# Allegro board SDHCalFEB_old.brd (continued)
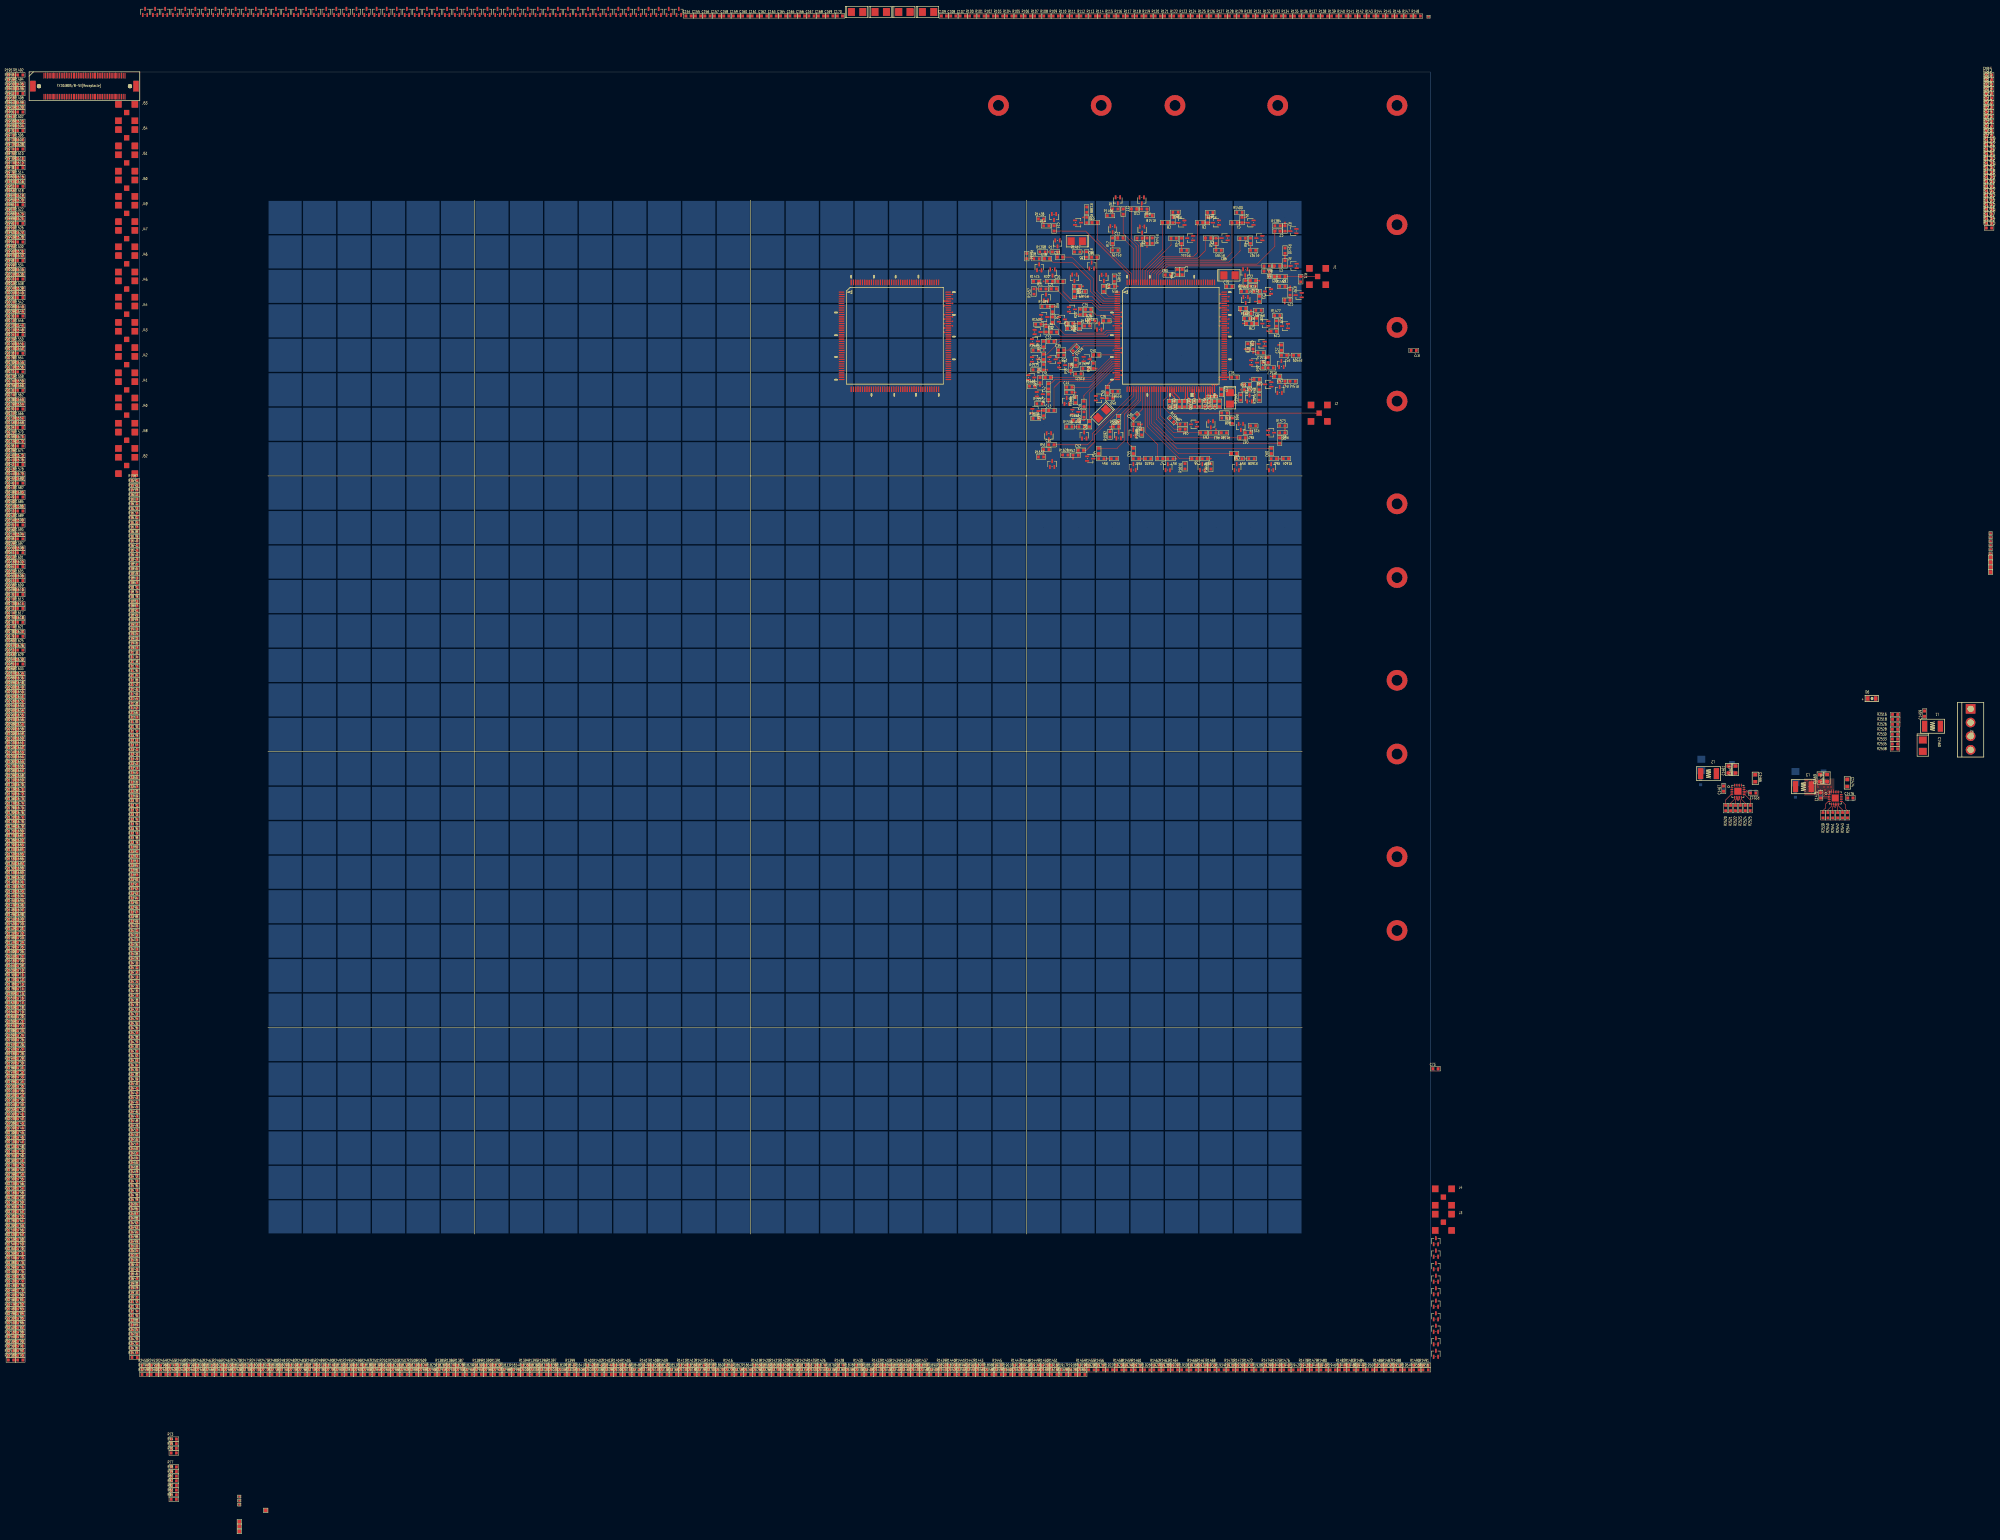
[diagram p0: board, top side]
## Nets (continued)
VCC3.3VD_64830: C75.1 C76.1 C77.1 C78.1 C86.1 C87.1 C1472.1 C1473.1 L3.2 U65.80(VDDD2) U65.82(VDDD#82) U65.120(VDDD#120) U65.137(VDD_SC) U130.80(VDDD2) U130.82(VDDD#82) U130.120(VDDD#120) U130.137(VDD_SC)
VCC5.0V: C1466.2 C1474.2 R2512.2 R2514.1 R2516.1 R2517.1 R2518.1 R2519.1 R2526.1 R2527.1 R2528.1 R2529.1 R2530.1 R2532.1 R2533.1 R2534.1 R2535.1 R2537.1 R2538.1 U1076.14(EN) U1076.15(IN#15) U1076.16(IN#16) U1076.17(IN#17) U1077.14(EN) U1077.15(IN#15) U1077.16(IN#16) U1077.17(IN#17)
VCC5.0V_BOARD_IN: C1459.1 C1460.1 L1.2 R2516.2 R2518.2 R2526.2 R2528.2 R2530.2 R2533.2 R2535.2 R2538.2
VCC5.0V_CON_IN: R2514.2 R2517.2 R2519.2 R2527.2 R2529.2 R2532.2 R2534.2 R2537.2
ANALOGIN1_ASIC_A1: C1.2 R65.1
ANALOGIN1_ASIC_A2: R149.1
ANALOGIN2_ASIC_A1: C2.2 U65.147(IN<1>)
ANALOGIN2_ASIC_A2: U130.147(IN<1>)
ANALOGIN3_ASIC_A1: C3.2 U65.148(IN<2>)
ANALOGIN3_ASIC_A2: U130.148(IN<2>)
ANALOGIN4_ASIC_A1: C4.2 U65.149(IN<3>)
ANALOGIN4_ASIC_A2: U130.149(IN<3>)
ANALOGIN5_ASIC_A1: C5.2 U65.150(IN<4>)
ANALOGIN5_ASIC_A2: U130.150(IN<4>)
ANALOGIN6_ASIC_A1: C6.2 U65.151(IN<5>)
ANALOGIN6_ASIC_A2: U130.151(IN<5>)
ANALOGIN7_ASIC_A1: C7.2 U65.152(IN<6>)
ANALOGIN7_ASIC_A2: U130.152(IN<6>)
ANALOGIN8_ASIC_A1: C8.2 U65.153(IN<7>)
ANALOGIN8_ASIC_A2: U130.153(IN<7>)
ANALOGIN9_ASIC_A1: C9.2 U65.154(IN<8>)
ANALOGIN9_ASIC_A2: U130.154(IN<8>)
ANALOGIN10_ASIC_A1: C10.2 U65.155(IN<9>)
ANALOGIN10_ASIC_A2: U130.155(IN<9>)
ANALOGIN11_ASIC_A1: C11.2 U65.156(IN<10>)
ANALOGIN11_ASIC_A2: U130.156(IN<10>)
ANALOGIN12_ASIC_A1: C12.2 U65.157(IN<11>)
ANALOGIN12_ASIC_A2: U130.157(IN<11>)
ANALOGIN13_ASIC_A1: C13.2 U65.158(IN<12>)
ANALOGIN13_ASIC_A2: U130.158(IN<12>)
ANALOGIN14_ASIC_A1: C14.2 U65.159(IN<13>)
ANALOGIN14_ASIC_A2: U130.159(IN<13>)
ANALOGIN15_ASIC_A1: C15.2 U65.3(IN<14>)
ANALOGIN15_ASIC_A2: U130.3(IN<14>)
ANALOGIN16_ASIC_A1: C16.2 U65.4(IN<15>)
ANALOGIN16_ASIC_A2: U130.4(IN<15>)
ANALOGIN17_ASIC_A1: C17.2 U65.5(IN<16>)
ANALOGIN17_ASIC_A2: U130.5(IN<16>)
ANALOGIN18_ASIC_A1: C18.2 U65.6(IN<17>)
ANALOGIN18_ASIC_A2: U130.6(IN<17>)
ANALOGIN19_ASIC_A1: C19.2 U65.7(IN<18>)
ANALOGIN19_ASIC_A2: U130.7(IN<18>)
ANALOGIN20_ASIC_A1: C20.2 U65.8(IN<19>)
ANALOGIN20_ASIC_A2: C107.2 U130.8(IN<19>)
ANALOGIN21_ASIC_A1: C21.2 U65.9(IN<20>)
ANALOGIN21_ASIC_A2: C108.2 U130.9(IN<20>)
ANALOGIN22_ASIC_A1: C22.2 U65.10(IN<21>)
ANALOGIN22_ASIC_A2: C109.2 U130.10(IN<21>)
ANALOGIN23_ASIC_A1: C23.2 U65.11(IN<22>)
ANALOGIN23_ASIC_A2: U130.11(IN<22>)
ANALOGIN24_ASIC_A1: C24.2 U65.12(IN<23>)
ANALOGIN24_ASIC_A2: U130.12(IN<23>)
ANALOGIN25_ASIC_A1: C25.2 U65.13(IN<24>)
ANALOGIN25_ASIC_A2: U130.13(IN<24>)
ANALOGIN26_ASIC_A1: C26.2 U65.14(IN<25>)
ANALOGIN26_ASIC_A2: U130.14(IN<25>)
ANALOGIN27_ASIC_A1: C27.2 U65.15(IN<26>)
ANALOGIN27_ASIC_A2: U130.15(IN<26>)
ANALOGIN28_ASIC_A1: C28.2 U65.16(IN<27>)
ANALOGIN28_ASIC_A2: U130.16(IN<27>)
ANALOGIN29_ASIC_A1: C29.2 U65.17(IN<28>)
ANALOGIN29_ASIC_A2: U130.17(IN<28>)
ANALOGIN30_ASIC_A1: C30.2 U65.18(IN<29>)
ANALOGIN30_ASIC_A2: U130.18(IN<29>)
ANALOGIN31_ASIC_A1: C31.2 U65.19(IN<30>)
ANALOGIN31_ASIC_A2: U130.19(IN<30>)
ANALOGIN32_ASIC_A1: C32.2 U65.20(IN<31>)
ANALOGIN32_ASIC_A2: U130.20(IN<31>)
ANALOGIN33_ASIC_A1: C33.2 U65.22(IN<32>)
ANALOGIN33_ASIC_A2: U130.22(IN<32>)
ANALOGIN34_ASIC_A1: C34.2 U65.23(IN<33>)
ANALOGIN34_ASIC_A2: U130.23(IN<33>)
ANALOGIN35_ASIC_A1: C35.2 U65.24(IN<34>)
ANALOGIN35_ASIC_A2: U130.24(IN<34>)
ANALOGIN36_ASIC_A1: C36.2 U65.25(IN<35>)
ANALOGIN36_ASIC_A2: U130.25(IN<35>)
ANALOGIN37_ASIC_A1: C37.2 U65.26(IN<36>)
ANALOGIN37_ASIC_A2: U130.26(IN<36>)
ANALOGIN38_ASIC_A1: C38.2 U65.27(IN<37>)
ANALOGIN38_ASIC_A2: U130.27(IN<37>)
ANALOGIN39_ASIC_A1: C39.2 U65.28(IN<38>)
ANALOGIN39_ASIC_A2: U130.28(IN<38>)
ANALOGIN40_ASIC_A1: C40.2 U65.29(IN<39>)
ANALOGIN40_ASIC_A2: U130.29(IN<39>)
ANALOGIN41_ASIC_A1: C41.2 U65.30(IN<40>)
ANALOGIN41_ASIC_A2: U130.30(IN<40>)
ANALOGIN42_ASIC_A1: C42.2 U65.31(IN<41>)
ANALOGIN42_ASIC_A2: U130.31(IN<41>)
ANALOGIN43_ASIC_A1: C43.2 U65.32(IN<42>)
ANALOGIN43_ASIC_A2: U130.32(IN<42>)
ANALOGIN44_ASIC_A1: C44.2 U65.33(IN<43>)
ANALOGIN44_ASIC_A2: U130.33(IN<43>)
ANALOGIN45_ASIC_A1: C45.2 U65.34(IN<44>)
ANALOGIN45_ASIC_A2: U130.34(IN<44>)
ANALOGIN46_ASIC_A1: C46.2 U65.35(IN<45>)
ANALOGIN46_ASIC_A2: U130.35(IN<45>)
ANALOGIN47_ASIC_A1: C47.2 U65.36(IN<46>)
ANALOGIN47_ASIC_A2: U130.36(IN<46>)
ANALOGIN48_ASIC_A1: C48.2 U65.37(IN<47>)
ANALOGIN48_ASIC_A2: U130.37(IN<47>)
ANALOGIN49_ASIC_A1: C49.2 U65.38(IN<48>)
ANALOGIN49_ASIC_A2: U130.38(IN<48>)
ANALOGIN50_ASIC_A1: C50.2 U65.39(IN<49>)
ANALOGIN50_ASIC_A2: U130.39(IN<49>)
ANALOGIN51_ASIC_A1: C51.2 U65.43(IN<50>)
ANALOGIN51_ASIC_A2: U130.43(IN<50>)
ANALOGIN52_ASIC_A1: C52.2 U65.44(IN<51>)
ANALOGIN52_ASIC_A2: U130.44(IN<51>)
ANALOGIN53_ASIC_A1: C53.2 U65.45(IN<52>)
ANALOGIN53_ASIC_A2: U130.45(IN<52>)
ANALOGIN54_ASIC_A1: C54.2 U65.46(IN<53>)
ANALOGIN54_ASIC_A2: U130.46(IN<53>)
ANALOGIN55_ASIC_A1: C55.2 U65.47(IN<54>)
ANALOGIN55_ASIC_A2: U130.47(IN<54>)
ANALOGIN56_ASIC_A1: C56.2 U65.48(IN<55>)
ANALOGIN56_ASIC_A2: U130.48(IN<55>)
ANALOGIN57_ASIC_A1: C57.2 U65.49(IN<56>)
ANALOGIN57_ASIC_A2: U130.49(IN<56>)
ANALOGIN58_ASIC_A1: C58.2 U65.50(IN<57>)
ANALOGIN58_ASIC_A2: U130.50(IN<57>)
ANALOGIN59_ASIC_A1: C59.2 U65.51(IN<58>)
ANALOGIN59_ASIC_A2: U130.51(IN<58>)
ANALOGIN60_ASIC_A1: C60.2 U65.52(IN<59>)
ANALOGIN60_ASIC_A2: U130.52(IN<59>)
ANALOGIN61_ASIC_A1: C61.2 U65.53(IN<60>)
ANALOGIN61_ASIC_A2: U130.53(IN<60>)
ANALOGIN62_ASIC_A1: C62.2 U65.54(IN<61>)
ANALOGIN62_ASIC_A2: U130.54(IN<61>)
ANALOGIN63_ASIC_A1: C63.2 U65.55(IN<62>)
ANALOGIN63_ASIC_A2: U130.55(IN<62>)
ANALOGIN64_ASIC_A1: C64.2 U65.56(IN<63>)
ANALOGIN64_ASIC_A2: U130.56(IN<63>)
AUTO_CALIA: R68.1 R69.1 R152.1
CALI_EXT_ASIC_A1: C66.1 J1.1 R71.1
CALI_EXT_ASIC_A2: J3.1 R154.1
CHIPSATB_A: R80.2 R163.2 U65.108(CHIPSATB) U130.108(CHIPSATB)
CK_5N_A: R75.1 R158.1 U65.98(CK_5N) U130.98(CK_5N)
CK_5P_A: R75.2 R158.2 U65.97(CK_5P) U130.97(CK_5P)
CK_40N_A: R76.2 R159.2 U65.100(CK_40N) U130.100(CK_40N)
CK_40P_A: R76.1 R159.1 U65.99(CK_40P) U130.99(CK_40P)
CTEST_ASIC_A1: R68.2 R70.2 U65.59(CTEST)
CTEST_ASIC_A2: R152.2 R153.2 U130.59(CTEST)
CTEST_SMA_ASIC_A1: J2.1 R70.1 R72.2
CTEST_SMA_ASIC_A2: J4.1 R153.1 R155.2
DOUT1B_A: R83.2 R166.2 U65.104(DOUT1B) U130.104(DOUT1B)
DOUT2B_A: R84.2 R167.2 U65.105(DOUT2B) U130.105(DOUT2B)
ESD_SIGNAL1_ASIC_A1: C1.1 R1.2 U1.3(COM)
ESD_SIGNAL1_ASIC_A2: R85.2 U66.3(COM)
ESD_SIGNAL2_ASIC_A1: C2.1 R2.2 U2.3(COM)
ESD_SIGNAL2_ASIC_A2: R86.2 U67.3(COM)
ESD_SIGNAL3_ASIC_A1: C3.1 R3.2 U3.3(COM)
ESD_SIGNAL3_ASIC_A2: R87.2 U68.3(COM)
ESD_SIGNAL4_ASIC_A1: C4.1 R4.2 U4.3(COM)
ESD_SIGNAL4_ASIC_A2: R88.2 U69.3(COM)
ESD_SIGNAL5_ASIC_A1: C5.1 R5.2 U5.3(COM)
ESD_SIGNAL5_ASIC_A2: R89.2 U70.3(COM)
ESD_SIGNAL6_ASIC_A1: C6.1 R6.2 U6.3(COM)
ESD_SIGNAL6_ASIC_A2: R90.2 U71.3(COM)
ESD_SIGNAL7_ASIC_A1: C7.1 R7.2 U7.3(COM)
ESD_SIGNAL7_ASIC_A2: R91.2 U72.3(COM)
ESD_SIGNAL8_ASIC_A1: C8.1 R8.2 U8.3(COM)
ESD_SIGNAL8_ASIC_A2: R92.2 U73.3(COM)
ESD_SIGNAL9_ASIC_A1: C9.1 R9.2 U9.3(COM)
ESD_SIGNAL9_ASIC_A2: R93.2 U74.3(COM)
ESD_SIGNAL10_ASIC_A1: C10.1 R10.2 U10.3(COM)
ESD_SIGNAL10_ASIC_A2: R94.2 U75.3(COM)
ESD_SIGNAL11_ASIC_A1: C11.1 R11.2 U11.3(COM)
ESD_SIGNAL11_ASIC_A2: R95.2 U76.3(COM)
ESD_SIGNAL12_ASIC_A1: C12.1 R12.2 U12.3(COM)
ESD_SIGNAL12_ASIC_A2: R96.2 U77.3(COM)
ESD_SIGNAL13_ASIC_A1: C13.1 R13.2 U13.3(COM)
ESD_SIGNAL13_ASIC_A2: R97.2 U78.3(COM)
ESD_SIGNAL14_ASIC_A1: C14.1 R14.2 U14.3(COM)
ESD_SIGNAL14_ASIC_A2: R98.2 U79.3(COM)
ESD_SIGNAL15_ASIC_A1: C15.1 R15.2 U15.3(COM)
ESD_SIGNAL15_ASIC_A2: R99.2 U80.3(COM)
ESD_SIGNAL16_ASIC_A1: C16.1 R16.2 U16.3(COM)
ESD_SIGNAL16_ASIC_A2: R100.2 U81.3(COM)
ESD_SIGNAL17_ASIC_A1: C17.1 R17.2 U17.3(COM)
ESD_SIGNAL17_ASIC_A2: R101.2 U82.3(COM)
ESD_SIGNAL18_ASIC_A1: C18.1 R18.2 U18.3(COM)
ESD_SIGNAL18_ASIC_A2: R102.2 U83.3(COM)
ESD_SIGNAL19_ASIC_A1: C19.1 R19.2 U19.3(COM)
ESD_SIGNAL19_ASIC_A2: R103.2 U84.3(COM)
ESD_SIGNAL20_ASIC_A1: C20.1 R20.2 U20.3(COM)
ESD_SIGNAL20_ASIC_A2: C107.1 R104.2 U85.3(COM)
ESD_SIGNAL21_ASIC_A1: C21.1 R21.2 U21.3(COM)
ESD_SIGNAL21_ASIC_A2: C108.1 R105.2 U86.3(COM)
ESD_SIGNAL22_ASIC_A1: C22.1 R22.2 U22.3(COM)
ESD_SIGNAL22_ASIC_A2: C109.1 R106.2 U87.3(COM)
ESD_SIGNAL23_ASIC_A1: C23.1 R23.2 U23.3(COM)
ESD_SIGNAL23_ASIC_A2: R107.2 U88.3(COM)
ESD_SIGNAL24_ASIC_A1: C24.1 R24.2 U24.3(COM)
ESD_SIGNAL24_ASIC_A2: R108.2 U89.3(COM)
ESD_SIGNAL25_ASIC_A1: C25.1 R25.2 U25.3(COM)
ESD_SIGNAL25_ASIC_A2: R109.2 U90.3(COM)
ESD_SIGNAL26_ASIC_A1: C26.1 R26.2 U26.3(COM)
ESD_SIGNAL26_ASIC_A2: R110.2 U91.3(COM)
ESD_SIGNAL27_ASIC_A1: C27.1 R27.2 U27.3(COM)
ESD_SIGNAL27_ASIC_A2: R111.2 U92.3(COM)
ESD_SIGNAL28_ASIC_A1: C28.1 R28.2 U28.3(COM)
ESD_SIGNAL28_ASIC_A2: R112.2 U93.3(COM)
ESD_SIGNAL29_ASIC_A1: C29.1 R29.2 U29.3(COM)
ESD_SIGNAL29_ASIC_A2: R113.2 U94.3(COM)
ESD_SIGNAL30_ASIC_A1: C30.1 R30.2 U30.3(COM)
ESD_SIGNAL30_ASIC_A2: R114.2 U95.3(COM)
ESD_SIGNAL31_ASIC_A1: C31.1 R31.2 U31.3(COM)
ESD_SIGNAL31_ASIC_A2: R115.2 U96.3(COM)
ESD_SIGNAL32_ASIC_A1: C32.1 R32.2 U32.3(COM)
ESD_SIGNAL32_ASIC_A2: R116.2 U97.3(COM)
ESD_SIGNAL33_ASIC_A1: C33.1 R33.2 U33.3(COM)
ESD_SIGNAL33_ASIC_A2: R117.2 U98.3(COM)
ESD_SIGNAL34_ASIC_A1: C34.1 R34.2 U34.3(COM)
ESD_SIGNAL34_ASIC_A2: R118.2 U99.3(COM)
ESD_SIGNAL35_ASIC_A1: C35.1 R35.2 U35.3(COM)
ESD_SIGNAL35_ASIC_A2: R119.2 U100.3(COM)
ESD_SIGNAL36_ASIC_A1: C36.1 R36.2 U36.3(COM)
ESD_SIGNAL36_ASIC_A2: R120.2 U101.3(COM)
ESD_SIGNAL37_ASIC_A1: C37.1 R37.2 U37.3(COM)
ESD_SIGNAL37_ASIC_A2: R121.2 U102.3(COM)
ESD_SIGNAL38_ASIC_A1: C38.1 R38.2 U38.3(COM)
ESD_SIGNAL38_ASIC_A2: R122.2 U103.3(COM)
ESD_SIGNAL39_ASIC_A1: C39.1 R39.2 U39.3(COM)
ESD_SIGNAL39_ASIC_A2: R123.2 U104.3(COM)
ESD_SIGNAL40_ASIC_A1: C40.1 R40.2 U40.3(COM)
ESD_SIGNAL40_ASIC_A2: R124.2 U105.3(COM)
ESD_SIGNAL41_ASIC_A1: C41.1 R41.2 U41.3(COM)
ESD_SIGNAL41_ASIC_A2: R125.2 U106.3(COM)
ESD_SIGNAL42_ASIC_A1: C42.1 R42.2 U42.3(COM)
ESD_SIGNAL42_ASIC_A2: R126.2 U107.3(COM)
ESD_SIGNAL43_ASIC_A1: C43.1 R43.2 U43.3(COM)
ESD_SIGNAL43_ASIC_A2: R127.2 U108.3(COM)
ESD_SIGNAL44_ASIC_A1: C44.1 R44.2 U44.3(COM)
ESD_SIGNAL44_ASIC_A2: R128.2 U109.3(COM)
ESD_SIGNAL45_ASIC_A1: C45.1 R45.2 U45.3(COM)
ESD_SIGNAL45_ASIC_A2: R129.2 U110.3(COM)
ESD_SIGNAL46_ASIC_A1: C46.1 R46.2 U46.3(COM)
ESD_SIGNAL46_ASIC_A2: R130.2 U111.3(COM)
ESD_SIGNAL47_ASIC_A1: C47.1 R47.2 U47.3(COM)
ESD_SIGNAL47_ASIC_A2: R131.2 U112.3(COM)
ESD_SIGNAL48_ASIC_A1: C48.1 R48.2 U48.3(COM)
ESD_SIGNAL48_ASIC_A2: R132.2 U113.3(COM)
ESD_SIGNAL49_ASIC_A1: C49.1 R49.2 U49.3(COM)
ESD_SIGNAL49_ASIC_A2: R133.2 U114.3(COM)
ESD_SIGNAL50_ASIC_A1: C50.1 R50.2 U50.3(COM)
ESD_SIGNAL50_ASIC_A2: R134.2 U115.3(COM)
ESD_SIGNAL51_ASIC_A1: C51.1 R51.2 U51.3(COM)
ESD_SIGNAL51_ASIC_A2: R135.2 U116.3(COM)
ESD_SIGNAL52_ASIC_A1: C52.1 R52.2 U52.3(COM)
ESD_SIGNAL52_ASIC_A2: R136.2 U117.3(COM)
ESD_SIGNAL53_ASIC_A1: C53.1 R53.2 U53.3(COM)
ESD_SIGNAL53_ASIC_A2: R137.2 U118.3(COM)
ESD_SIGNAL54_ASIC_A1: C54.1 R54.2 U54.3(COM)
ESD_SIGNAL54_ASIC_A2: R138.2 U119.3(COM)
ESD_SIGNAL55_ASIC_A1: C55.1 R55.2 U55.3(COM)
ESD_SIGNAL55_ASIC_A2: R139.2 U120.3(COM)
ESD_SIGNAL56_ASIC_A1: C56.1 R56.2 U56.3(COM)
ESD_SIGNAL56_ASIC_A2: R140.2 U121.3(COM)
ESD_SIGNAL57_ASIC_A1: C57.1 R57.2 U57.3(COM)
ESD_SIGNAL57_ASIC_A2: R141.2 U122.3(COM)
ESD_SIGNAL58_ASIC_A1: C58.1 R58.2 U58.3(COM)
ESD_SIGNAL58_ASIC_A2: R142.2 U123.3(COM)
ESD_SIGNAL59_ASIC_A1: C59.1 R59.2 U59.3(COM)
ESD_SIGNAL59_ASIC_A2: R143.2 U124.3(COM)
ESD_SIGNAL60_ASIC_A1: C60.1 R60.2 U60.3(COM)
ESD_SIGNAL60_ASIC_A2: R144.2 U125.3(COM)
ESD_SIGNAL61_ASIC_A1: C61.1 R61.2 U61.3(COM)
ESD_SIGNAL61_ASIC_A2: R145.2 U126.3(COM)
ESD_SIGNAL62_ASIC_A1: C62.1 R62.2 U62.3(COM)
ESD_SIGNAL62_ASIC_A2: R146.2 U127.3(COM)
ESD_SIGNAL63_ASIC_A1: C63.1 R63.2 U63.3(COM)
ESD_SIGNAL63_ASIC_A2: R147.2 U128.3(COM)
ESD_SIGNAL64_ASIC_A1: C64.1 R64.2 U64.3(COM)
ESD_SIGNAL64_ASIC_A2: R148.2 U129.3(COM)
GEM_OUT_A1: P1.B1 R1.1 R1410.2
GEM_OUT_A2: P1.A1 R2.1 R1384.2
GEM_OUT_A3: P1.B2 R3.1 R1392.2
GEM_OUT_A4: P1.A2 R4.1 R1400.2
GEM_OUT_A5: P1.B3 R5.1 R1393.2
GEM_OUT_A6: P1.A3 R6.1 R1429.2
GEM_OUT_A7: P1.B4 R7.1 R1444.2
GEM_OUT_A8: P1.A4 R8.1 R1431.2
GEM_OUT_A9: P1.B5 R9.1 R1446.2
GEM_OUT_A10: P1.A5 R10.1 R1418.2
GEM_OUT_A11: P1.A6 R11.1 R1406.2
GEM_OUT_A12: P1.B6 R12.1 R1415.2
GEM_OUT_A13: P1.A7 R13.1 R1388.2
GEM_OUT_A14: P1.A8 R14.1 R1438.2
GEM_OUT_A15: P1.C6 R15.1 R1465.2
GEM_OUT_A16: P1.B7 R16.1 R1417.2
GEM_OUT_A17: P1.B8 R17.1 R1398.2
GEM_OUT_A18: P1.C5 R18.1 R1461.2
GEM_OUT_A19: P1.C7 R19.1 R1469.2
GEM_OUT_A20: P1.C8 R20.1 R1473.2
GEM_OUT_A21: P1.C4 R21.1 R1457.2
GEM_OUT_A22: P1.C3 R22.1 R1427.2
GEM_OUT_A23: P1.C2 R23.1 R1453.2
GEM_OUT_A24: P1.C1 R24.1 R1452.2
GEM_OUT_A25: P1.D5 R25.1 R1493.2
GEM_OUT_A26: P1.D6 R26.1 R1497.2
GEM_OUT_A27: P1.D3 R27.1 R1485.2
GEM_OUT_A28: P1.D2 R28.1 R1481.2
GEM_OUT_A29: P1.D1 R29.1 R1477.2
GEM_OUT_A30: P1.D7 R30.1 R1501.2
GEM_OUT_A31: P1.D4 R31.1 R1489.2
GEM_OUT_A32: P1.D8 R32.1 R1505.2
GEM_OUT_A33: P1.E8 R33.1 R1537.2
GEM_OUT_A34: P1.E5 R34.1 R1525.2
GEM_OUT_A35: P1.E7 R35.1 R1533.2
GEM_OUT_A36: P1.E4 R36.1 R1521.2
GEM_OUT_A37: P1.E1 R37.1 R1509.2
GEM_OUT_A38: P1.E2 R38.1 R1513.2
GEM_OUT_A39: P1.E3 R39.1 R1517.2
GEM_OUT_A40: P1.E6 R40.1 R1529.2
GEM_OUT_A41: P1.F8 R41.1 R1569.2
GEM_OUT_A42: P1.F5 R42.1 R1557.2
GEM_OUT_A43: P1.G8 R43.1 R1600.2
GEM_OUT_A44: P1.F7 R44.1 R1565.2
GEM_OUT_A45: P1.F4 R45.1 R1553.2
GEM_OUT_A46: P1.G7 R46.1 R1596.2
GEM_OUT_A47: P1.F1 R47.1 R1541.2
GEM_OUT_A48: P1.F2 R48.1 R1545.2
GEM_OUT_A49: P1.F3 R49.1 R1549.2
GEM_OUT_A50: P1.F6 R50.1 R1561.2
GEM_OUT_A51: P1.H8 R51.1 R1632.2
GEM_OUT_A52: P1.H7 R52.1 R1628.2
GEM_OUT_A53: P1.G6 R53.1 R1592.2
GEM_OUT_A54: P1.H6 R54.1 R1624.2
GEM_OUT_A55: P1.H5 R55.1 R1620.2
GEM_OUT_A56: P1.G5 R56.1 R1588.2
GEM_OUT_A57: P1.H4 R57.1 R1616.2
GEM_OUT_A58: P1.H3 R58.1 R1612.2
GEM_OUT_A59: P1.H2 R59.1 R1608.2
GEM_OUT_A60: P1.H1 R60.1 R1604.2
GEM_OUT_A61: P1.G1 R61.1 R1573.2
GEM_OUT_A62: P1.G2 R62.1 R1577.2
GEM_OUT_A63: P1.G3 R63.1 R1581.2
GEM_OUT_A64: P1.G4 R64.1 R1584.2
GEM_OUT_B1: R85.1
GEM_OUT_B2: R86.1
GEM_OUT_B3: R87.1
GEM_OUT_B4: R88.1
GEM_OUT_B5: R89.1
GEM_OUT_B6: R90.1
GEM_OUT_B7: R91.1
GEM_OUT_B8: R92.1
GEM_OUT_B9: R93.1
GEM_OUT_B10: R94.1
GEM_OUT_B11: R95.1
GEM_OUT_B12: R96.1
GEM_OUT_B13: R97.1
GEM_OUT_B14: R98.1
GEM_OUT_B15: R99.1
GEM_OUT_B16: R100.1
GEM_OUT_B17: R101.1
GEM_OUT_B18: R102.1
GEM_OUT_B19: R103.1
GEM_OUT_B20: R104.1
GEM_OUT_B21: R105.1
GEM_OUT_B22: R106.1
GEM_OUT_B23: R107.1
GEM_OUT_B24: R108.1
GEM_OUT_B25: R109.1
GEM_OUT_B26: R110.1
GEM_OUT_B27: R111.1
GEM_OUT_B28: R112.1
GEM_OUT_B29: R113.1
GEM_OUT_B30: R114.1
GEM_OUT_B31: R115.1
GEM_OUT_B32: R116.1
GEM_OUT_B33: R117.1
GEM_OUT_B34: R118.1
GEM_OUT_B35: R119.1
GEM_OUT_B36: R120.1
GEM_OUT_B37: R121.1
GEM_OUT_B38: R122.1
GEM_OUT_B39: R123.1
GEM_OUT_B40: R124.1
GEM_OUT_B41: R125.1
GEM_OUT_B42: R126.1
GEM_OUT_B43: R127.1
GEM_OUT_B44: R128.1
GEM_OUT_B45: R129.1
GEM_OUT_B46: R130.1
GEM_OUT_B47: R131.1
GEM_OUT_B48: R132.1
GEM_OUT_B49: R133.1
GEM_OUT_B50: R134.1
GEM_OUT_B51: R135.1
GEM_OUT_B52: R136.1
GEM_OUT_B53: R137.1
GEM_OUT_B54: R138.1
GEM_OUT_B55: R139.1
GEM_OUT_B56: R140.1
GEM_OUT_B57: R141.1
GEM_OUT_B58: R142.1
GEM_OUT_B59: R143.1
GEM_OUT_B60: R144.1
GEM_OUT_B61: R145.1
GEM_OUT_B62: R146.1
GEM_OUT_B63: R147.1
GEM_OUT_B64: R148.1
GEM_P1: P1.AB25 R2179.2 R2382.2 R2388.2
GEM_P2: P1.AB26 R2180.2 R2383.2 R2389.2
GEM_P3: P1.AB27 R2182.2 R2398.2 R2404.2
GEM_P4: P1.AB28 R2184.2 R2399.2 R2405.2
GEM_P5: P1.AB29 R2192.2 R2414.2 R2420.2
GEM_P6: P1.AB30 R2193.2 R2415.2 R2421.2
GEM_P7: P1.AC25 R2195.2 R2430.2 R2436.2
GEM_P8: P1.AC26 R2229.2 R2431.2 R2437.2
GEM_P9: P1.AC27 R2207.2 R2446.2 R2450.2
GEM_P10: P1.AC28 R2219.2 R2447.2 R2451.2
GEM_P11: P1.AC29 R2220.2 R2452.2 R2454.2
GEM_P12: P1.AC30 R2222.2 R2453.2 R2455.2
GEM_P13: P1.AD25 R2230.2 R2456.2 R2458.2
GEM_P14: P1.AD26 R2231.2 R2457.2 R2459.2
GEM_P15: P1.AD27 R2235.2 R2460.2 R2462.2
GEM_P16: P1.AD28 R2239.2 R2461.2 R2463.2
GEM_P17: P1.AD29 R2243.2 R2464.2 R2466.2
GEM_P18: P1.AD30 R2247.2 R2465.2 R2467.2
GEM_P19: P1.AE25 R2251.2 R2468.2 R2470.2
GEM_P20: P1.AE26 R2255.2 R2469.2 R2471.2
GEM_P21: P1.AE27 R2259.2 R2472.2 R2474.2
GEM_P22: P1.AE28 R2263.2 R2473.2 R2475.2
GEM_P23: P1.AE29 R2267.2 R2478.2 R2482.2
GEM_P24: P1.AE30 R2271.2 R2479.2 R2483.2
GEM_P25: P1.AF25 R2275.2 R2486.2 R2489.2
GEM_P26: P1.AF26 R2279.2 R2487.2 R2490.2
GEM_P27: P1.AF27 R2283.2 R2488.2 R2491.2
GEM_P28: P1.AF28 R2287.2 R2492.2 R2495.2
GEM_P29: P1.AF29 R2291.2 R2493.2 R2496.2
GEM_P30: P1.AF30 R2295.2 R2494.2 R2497.2
GEM_P31: P1.AG25 R2299.2 R2498.2 R2501.2
GEM_P32: P1.AG26 R2303.2 R2499.2 R2502.2
GEM_P33: P1.AG27 R2307.2 R2500.2 R2503.2
GEM_P34: P1.AG28 R2311.2 R2504.2 R2507.2
GEM_P35: P1.AG29 R2315.2 R2505.2 R2508.2
GEM_P36: P1.AG30 R2319.2 R2506.2 R2509.2
GEM_TEST_A: J40.1 R1644.1
GEM_TEST_B: J41.1 R1645.1
GEM_TEST_C: J42.1 R1646.1
GEM_TEST_D: J43.1 R1647.1
GEM_TEST_E: J44.1 R1908.1
GEM_TEST_F: J45.1 R1909.1
GEM_TEST_G: J46.1 R1910.1
GEM_TEST_H: J47.1 R1911.1
GEM_TEST_I: J48.1 R2172.1
GEM_TEST_J: J49.1 R2173.1
GEM_TEST_K: J50.1 R2174.1
GEM_TEST_L: J51.1 R2175.1
GEM_TEST_M: J52.1 R2485.1
GEM_TEST_N: J53.1 R2480.1
GEM_TEST_O: J54.1 R2481.1
HOLD_A: U65.119(HOLD) U130.119(HOLD)
HRS_SIGNAL1: R2388.1
HRS_SIGNAL2: R2389.1
HRS_SIGNAL3: R2404.1
HRS_SIGNAL4: R2405.1
HRS_SIGNAL5: R2420.1
HRS_SIGNAL6: R2421.1
HRS_SIGNAL7: R2436.1
HRS_SIGNAL8: R2437.1
HRS_SIGNAL9: R2450.1
HRS_SIGNAL10: R2451.1
HRS_SIGNAL11: R2454.1
HRS_SIGNAL12: R2455.1
HRS_SIGNAL13: R2458.1
HRS_SIGNAL14: R2459.1
HRS_SIGNAL15: R2462.1
HRS_SIGNAL16: R2463.1
HRS_SIGNAL17: R2466.1
HRS_SIGNAL18: R2467.1
HRS_SIGNAL19: R2470.1
HRS_SIGNAL20: R2471.1
HRS_SIGNAL21: R2474.1
HRS_SIGNAL22: R2475.1
HRS_SIGNAL23: R2482.1
HRS_SIGNAL24: R2483.1
HRS_SIGNAL25: R2489.1
HRS_SIGNAL26: R2490.1
HRS_SIGNAL27: R2491.1
HRS_SIGNAL28: R2495.1
HRS_SIGNAL29: R2496.1
HRS_SIGNAL30: R2497.1
HRS_SIGNAL31: R2501.1
HRS_SIGNAL32: R2502.1
HRS_SIGNAL33: R2503.1
HRS_SIGNAL34: R2507.1
HRS_SIGNAL35: R2508.1
HRS_SIGNAL36: R2509.1
IBI_PA_ASIC_A1: C70.2 U65.136(IBI_PA)
IBI_PA_ASIC_A2: C157.2 U130.136(IBI_PA)
IREF_DAC_ASIC_A1: R67.1 U65.73(IREF_DAC)
IREF_DAC_ASIC_A2: R151.1 U130.73(IREF_DAC)
N271553_ASIC_A1: R65.2 R66.2 U65.146(IN<0>)
N271553_ASIC_A2: R149.2 R150.2 U130.146(IN<0>)
N271605_ASIC_A1: C65.2 R66.1
N271605_ASIC_A2: R150.1
N360973_ASIC_A1: C65.1 C66.2
OUT_SH_A1: U65.129(OUT_T&H)
OUT_SH_A2: U130.128(OUT_SH)
OUT_T&H_A1: U65.128(OUT_SH)
OUT_T&H_A2: U130.129(OUT_T&H)
OUT_TRIG0B_A: R79.2 R162.2 U65.85(OUT_TRIG0B) U130.85(OUT_TRIG0B)
OUT_TRIG1B_A: R78.1 R161.1 U65.84(OUT_TRIG1B) U130.84(OUT_TRIG1B)
OUT_TRIG2B_A: R77.2 R160.2 U65.83(OUT_TRIG2B) U130.83(OUT_TRIG2B)
PWR_ON_A_A: U65.89(PWR_ON_A) U130.89(PWR_ON_A)
PWR_ON_ADC_A: U65.88(PWR_ON_ADC) U130.88(PWR_ON_ADC)
PWR_ON_D_A: U65.90(PWR_ON_D) U130.90(PWR_ON_D)
PWR_ON_DAC_A: U65.87(PWR_ON_DAC) U130.87(PWR_ON_DAC)
RAZ_CHNN_A: R74.2 R157.2 U65.96(RAZ_CHNN) U130.96(RAZ_CHNN)
RAZ_CHNP_A: R74.1 R157.1 U65.95(RAZ_CHNP) U130.95(RAZ_CHNP)
READOUT1_A1TOA2: TP4.1 TP14.1 U65.112(END_READOUT1) U130.110(START_READOUT1)
READOUT1_A2TOA3: TP15.1 U130.112(END_READOUT1)
READOUT2_A1TOA2: U65.113(END_READOUT2) U130.111(START_READOUT2)
READOUT2_A2TOA3: U130.113(END_READOUT2)
RESET_B_A: U65.102(RESETB) U130.102(RESETB)
RST_COUNTERB_A: U65.109(RST_COUNTERB) U130.109(RST_COUNTERB)
SELECT_A: U65.114(SELECT) U130.114(SELECT)
SR_A1TOA2: TP5.1 U65.118(SR_OUT) U130.117(SR_IN)
SR_A2TOA3: TP16.1 U130.118(SR_OUT)
SR_CK_A: U65.116(SR_CK) U130.116(SR_CK)
SR_IN_A: U65.117(SR_IN)
SR_RSTB_A: U65.115(SR_RSTB) U130.115(SR_RSTB)
STARTACQ_A: U65.92(START_ACQ) U130.92(START_ACQ)
STARTREADOUT1_A: TP3.1 U65.110(START_READOUT1)
STARTREADOUT2_A: U65.111(START_READOUT2)
TRANSMITON1B_A: R81.2 R164.2 U65.106(TRANSMITON1B) U130.106(TRANSMITON1B)
TRANSMITON2B_A: R82.2 R165.2 U65.107(TRANSMITON2B) U130.107(TRANSMITON2B)
TRIGEXT_A: U65.86(TRIG_EXT) U130.86(TRIG_EXT)
V_BG_A: C73.2 C160.2 R67.2 R151.2 TP11.1 TP20.1 U65.70(V_BG) U130.70(V_BG)
VAL_EVTN_A: R73.2 R156.2 U65.94(VAL_EVTN) U130.94(VAL_EVTN)
VAL_EVTP_A: R73.1 R156.1 U65.93(VAL_EVTP) U130.93(VAL_EVTP)
VREF_DAC_ASIC_A1: C69.2 U65.71(VREF_DAC)
VREF_DAC_ASIC_A2: C156.2 U130.71(VREF_DAC)
VREF_PA_ASIC_A1: C67.2 U65.61(VREF_PA)
VREF_PA_ASIC_A2: C154.2 U130.61(VREF_PA)
VREF_SH_ASIC_A1: C68.2 U65.62(VREF_SH)
VREF_SH_ASIC_A2: C155.2 U130.62(VREF_SH)
VTH0_ASIC_A1: C71.2 TP8.1 U65.79(VTH0)
VTH0_ASIC_A2: C158.2 TP17.1 U130.79(VTH0)
VTH1_ASIC_A1: C74.2 TP9.1 U65.78(VTH1)
VTH1_ASIC_A2: C161.2 TP18.1 U130.78(VTH1)
VTH2_ASIC_A1: C72.2 TP10.1 U65.77(VTH2)
VTH2_ASIC_A2: C159.2 TP19.1 U130.77(VTH2)
N07792: P1.A9 R1399.2
N07796: P1.A10 R1401.2
N07800: P1.A11 R1403.2
N07804: P1.A12 R1386.2
N07808: P1.A13 R1433.2
N07812: P1.A14 R1435.2
N07816: P1.A15 R1437.2
N07820: P1.A16 R1408.2
N07824: P1.B9 R1390.2
N07828: P1.B10 R1441.2
N07832: P1.B11 R1443.2
N07836: P1.B12 R1412.2
N07840: P1.B13 R1414.2
N07844: P1.B14 R1416.2
N07848: P1.B15 R1397.2
N07852: P1.B16 R1450.2
N07856: P1.C9 R1422.2
N07860: P1.C10 R1425.2
N07864: P1.C12 R1458.2
N07868: P1.C11 R1428.2
N07872: P1.C14 R1466.2
N07876: P1.C13 R1462.2
N07880: P1.C16 R1474.2
N07884: P1.C15 R1470.2
N07888: P1.D12 R1490.2
N07892: P1.D11 R1486.2
N07896: P1.D10 R1482.2
N07900: P1.D9 R1478.2
N07904: P1.D16 R1506.2
N07908: P1.D15 R1502.2
N07912: P1.D14 R1498.2
N07916: P1.D13 R1494.2
N07920: P1.E9 R1510.2
N07924: P1.E10 R1514.2
N07928: P1.E11 R1518.2
N07932: P1.E12 R1522.2
N07936: P1.E13 R1526.2
N07940: P1.E14 R1530.2
N07944: P1.E15 R1534.2
N07948: P1.E16 R1538.2
N07952: P1.F9 R1542.2
N07956: P1.F10 R1546.2
N07960: P1.F11 R1550.2
N07964: P1.F12 R1554.2
N07968: P1.F13 R1558.2
N07972: P1.F14 R1562.2
N07976: P1.F15 R1566.2
N07980: P1.F16 R1570.2
N07984: P1.G9 R1574.2
N07988: P1.G10 R1578.2
N07992: P1.G12 R1585.2
N07996: P1.G11 R1582.2
N08000: P1.G14 R1593.2
N08004: P1.G13 R1589.2
N08008: P1.G16 R1601.2
N08012: P1.G15 R1597.2
N08016: P1.H12 R1617.2
N08020: P1.H11 R1613.2
N08024: P1.H10 R1609.2
N08028: P1.H9 R1605.2
N08032: P1.H16 R1633.2
N08036: P1.H15 R1629.2
N08040: P1.H14 R1625.2
N08044: P1.H13 R1621.2
N08560: P1.A17 R1402.2
N08564: P1.A18 R1385.2
N08568: P1.A19 R1432.2
N08572: P1.A20 R1434.2
N08576: P1.A21 R1436.2
N08580: P1.A22 R1407.2
N08584: P1.A23 R1409.2
N08588: P1.A24 R1391.2
N08592: P1.B17 R1442.2
N08596: P1.B18 R1411.2
N08600: P1.B19 R1413.2
N08604: P1.B20 R1395.2
N08608: P1.B21 R1396.2
N08612: P1.B22 R1449.2
N08616: P1.B23 R1451.2
N08620: P1.B24 R1423.2
N08624: P1.C17 R1426.2
N08628: P1.C18 R1455.2
N08632: P1.C20 R1463.2
N08636: P1.C19 R1459.2
N08640: P1.C22 R1471.2
N08644: P1.C21 R1467.2
N08648: P1.C24 R1479.2
N08652: P1.C23 R1475.2
N08656: P1.D20 R1495.2
N08660: P1.D19 R1491.2
N08664: P1.D18 R1487.2
N08668: P1.D17 R1483.2
N08672: P1.D24 R1511.2
N08676: P1.D23 R1507.2
N08680: P1.D22 R1503.2
N08684: P1.D21 R1499.2
N08688: P1.E17 R1515.2
N08692: P1.E18 R1519.2
N08696: P1.E19 R1523.2
N08700: P1.E20 R1527.2
N08704: P1.E21 R1531.2
N08708: P1.E22 R1535.2
N08712: P1.E23 R1539.2
N08716: P1.E24 R1543.2
N08720: P1.F17 R1547.2
N08724: P1.F18 R1551.2
N08728: P1.F19 R1555.2
N08732: P1.F20 R1559.2
N08736: P1.F21 R1563.2
N08740: P1.F22 R1567.2
N08744: P1.F23 R1571.2
N08748: P1.F24 R1575.2
N08752: P1.G17 R1579.2
N08756: P1.G18 R1583.2
N08760: P1.G20 R1590.2
N08764: P1.G19 R1586.2
N08768: P1.G22 R1598.2
N08772: P1.G21 R1594.2
N08776: P1.G24 R1606.2
N08780: P1.G23 R1602.2
N08784: P1.H20 R1622.2
N08788: P1.H19 R1618.2
N08792: P1.H18 R1614.2
N08796: P1.H17 R1610.2
N08800: P1.H24 R1636.2
N08804: P1.H23 R1634.2
N08808: P1.H22 R1630.2
N08812: P1.H21 R1626.2
N09328: P1.A25 R1430.2
N09332: P1.A26 R1404.2
N09336: P1.A27 R1405.2
N09340: P1.A28 R1387.2
N09344: P1.A29 R1389.2
N09348: P1.A30 R1439.2
N09352: P1.B25 R1440.2
N09356: P1.B26 R1419.2
N09360: P1.B27 R1394.2
N09364: P1.B28 R1445.2
N09368: P1.B29 R1447.2
N09372: P1.B30 R1448.2
N09376: P1.C25 R1420.2
N09380: P1.C26 R1421.2
N09384: P1.C27 R1424.2
N09388: P1.C28 R1454.2
N09392: P1.C29 R1456.2
N09396: P1.C30 R1460.2
N09400: P1.D26 R1468.2
N09404: P1.D25 R1464.2
N09408: P1.D28 R1476.2
N09412: P1.D27 R1472.2
N09416: P1.D30 R1484.2
N09420: P1.D29 R1480.2
N09424: P1.E28 R1500.2
N09428: P1.E27 R1496.2
N09432: P1.E26 R1492.2
N09436: P1.E25 R1488.2
N09440: P1.F26 R1516.2
N09444: P1.F25 R1512.2
N09448: P1.E30 R1508.2
N09452: P1.E29 R1504.2
N09456: P1.F27 R1520.2
N09460: P1.F28 R1524.2
N09464: P1.F29 R1528.2
N09468: P1.F30 R1532.2
N09472: P1.G25 R1536.2
N09476: P1.G26 R1540.2
N09480: P1.G27 R1544.2
N09484: P1.G28 R1548.2
N09488: P1.G29 R1552.2
N09492: P1.G30 R1556.2
N09496: P1.H25 R1560.2
N09500: P1.H26 R1564.2
N09504: P1.H27 R1568.2
N09508: P1.H28 R1572.2
N09512: P1.H29 R1576.2
N09516: P1.H30 R1580.2
N10096: P1.J1 R1648.2
N10100: P1.J2 R1649.2
N10104: P1.J3 R1652.2
N10108: P1.J4 R1654.2
N10112: P1.J5 R1657.2
N10116: P1.J6 R1711.2
N10120: P1.J7 R1696.2
N10124: P1.J8 R1697.2
N10128: P1.K1 R1666.2
N10132: P1.K2 R1668.2
N10136: P1.K3 R1700.2
N10140: P1.K4 R1702.2
N10144: P1.K5 R1675.2
N10148: P1.K6 R1678.2
N10152: P1.K7 R1680.2
N10156: P1.K8 R1682.2
N10160: P1.L1 R1685.2
N10164: P1.L2 R1688.2
N10168: P1.L4 R1721.2
N10172: P1.L3 R1690.2
N10176: P1.L6 R1729.2
N10180: P1.L5 R1725.2
N10184: P1.L8 R1737.2
N10188: P1.L7 R1733.2
N10192: P1.M4 R1753.2
N10196: P1.M3 R1749.2
N10200: P1.M2 R1745.2
N10204: P1.M1 R1741.2
N10208: P1.M8 R1769.2
N10212: P1.M7 R1765.2
N10216: P1.M6 R1761.2
N10220: P1.M5 R1757.2